# Altium PCB HK0J2071758B03.PcbDoc (part 1 of 5) (continued)
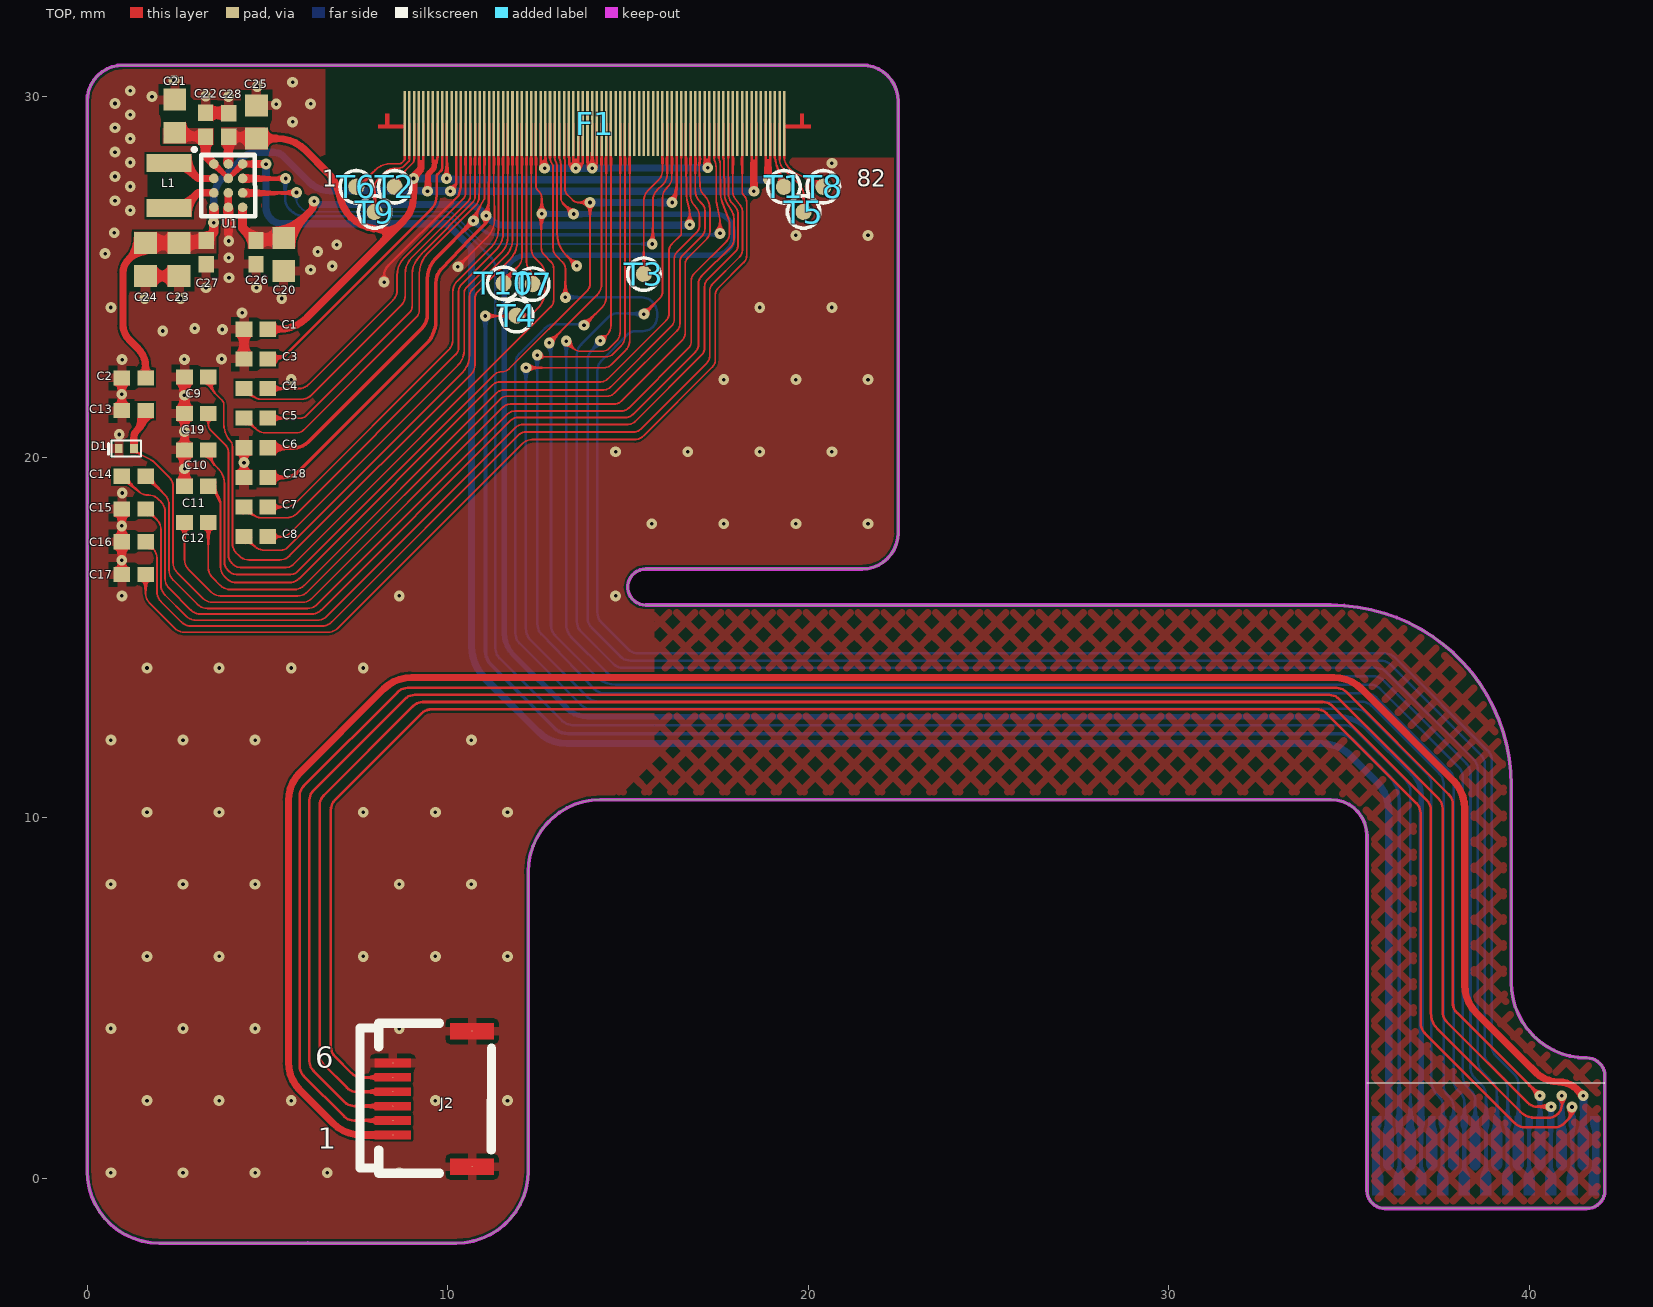
[diagram p0: TOP view]
## Footprints (in the part's own frame and the unit in brackets; to place one, negate y for a bottom-side part, rotate by r counter-clockwise, add the part's x,y. Pads: shape width x height; smd on the part's side, far side on the other; paste and mask are expansions set on the pad) (continued)
  TOP region: 2.821,-1.329 2.828,-1.322 2.839,-1.306 2.846,-1.288 2.85,-1.268 2.85,-1.259 2.85,-1.259 2.85,-0.349 2.85,-0.337 2.848,-0.313 2.844,-0.289 2.838,-0.265 2.835,-0.254 2.835,-0.254 2.815,-0.196 2.812,-0.185 2.806,-0.161 2.802,-0.137 2.8,-0.113 2.8,-0.101 2.8,-0.101 2.8,0.1 2.6,0.1 2.6,-0.101 2.6,-0.113 2.598,-0.137 2.594,-0.161 2.588,-0.185 2.585,-0.196 2.585,-0.196 2.565,-0.254 2.562,-0.265 2.556,-0.289 2.552,-0.313 2.55,-0.337 2.55,-0.349 2.55,-0.349 2.55,-1.259 2.55,-1.268 2.554,-1.288 2.561,-1.306 2.572,-1.322 2.579,-1.329 2.579,-1.329 2.65,-1.4 2.75,-1.4
  TOP region: 2.55,-2.1 2.55,-1.601 2.55,-1.586 2.547,-1.557 2.541,-1.528 2.533,-1.5 2.527,-1.486 2.527,-1.486 2.473,-1.355 2.468,-1.341 2.459,-1.313 2.453,-1.284 2.45,-1.255 2.45,-1.24 2.45,-1.24 2.45,-0.332 2.45,-0.324 2.451,-0.308 2.454,-0.293 2.458,-0.277 2.46,-0.269 2.46,-0.269 2.495,-0.165 2.496,-0.162 2.498,-0.154 2.499,-0.146 2.5,-0.138 2.5,-0.134 2.5,-0.134 2.5,0.1 2.3,0.1 2.3,-0.134 2.3,-0.138 2.301,-0.146 2.302,-0.154 2.304,-0.162 2.305,-0.165 2.305,-0.165 2.34,-0.269 2.342,-0.277 2.346,-0.293 2.349,-0.308 2.35,-0.324 2.35,-0.332 2.35,-0.332 2.35,-1.24 2.35,-1.255 2.347,-1.284 2.341,-1.313 2.332,-1.341 2.327,-1.355 2.327,-1.355 2.273,-1.486 2.267,-1.5 2.259,-1.528 2.253,-1.557 2.25,-1.586 2.25,-1.601 2.25,-1.601 2.25,-2.1
  TOP region: 3.15,-2.1 3.15,0.1 2.9,0.1 2.9,-0.118 2.9,-0.126 2.901,-0.142 2.904,-0.158 2.908,-0.173 2.91,-0.181 2.91,-0.181 2.94,-0.269 2.942,-0.277 2.946,-0.293 2.949,-0.308 2.95,-0.324 2.95,-0.332 2.95,-0.332 2.95,-1.24 2.95,-1.255 2.947,-1.284 2.941,-1.313 2.932,-1.341 2.927,-1.355 2.927,-1.355 2.873,-1.486 2.867,-1.5 2.859,-1.528 2.853,-1.557 2.85,-1.586 2.85,-1.601 2.85,-1.601 2.85,-2.1
  TOP region: -0.45,-2.1 -0.45,-1.601 -0.45,-1.586 -0.453,-1.557 -0.459,-1.528 -0.467,-1.5 -0.473,-1.486 -0.473,-1.486 -0.527,-1.355 -0.532,-1.341 -0.541,-1.313 -0.547,-1.284 -0.55,-1.255 -0.55,-1.24 -0.55,-1.24 -0.55,-0.332 -0.55,-0.324 -0.549,-0.308 -0.546,-0.293 -0.542,-0.277 -0.54,-0.269 -0.54,-0.269 -0.505,-0.165 -0.504,-0.162 -0.502,-0.154 -0.501,-0.146 -0.5,-0.138 -0.5,-0.134 -0.5,-0.134 -0.5,0.1 -0.7,0.1 -0.7,-0.134 -0.7,-0.138 -0.699,-0.146 -0.698,-0.154 -0.696,-0.162 -0.695,-0.165 -0.695,-0.165 -0.66,-0.269 -0.658,-0.277 -0.654,-0.293 -0.651,-0.308 -0.65,-0.324 -0.65,-0.332 -0.65,-0.332 -0.65,-1.24 -0.65,-1.255 -0.653,-1.284 -0.659,-1.313 -0.668,-1.341 -0.673,-1.355 -0.673,-1.355 -0.727,-1.486 -0.733,-1.5 -0.741,-1.528 -0.747,-1.557 -0.75,-1.586 -0.75,-1.601 -0.75,-1.601 -0.75,-2.1
  TOP region: 0.15,-2.1 0.15,-1.601 0.15,-1.586 0.147,-1.557 0.141,-1.528 0.133,-1.5 0.127,-1.486 0.127,-1.486 0.073,-1.355 0.068,-1.341 0.059,-1.313 0.053,-1.284 0.05,-1.255 0.05,-1.24 0.05,-1.24 0.05,-0.332 0.05,-0.324 0.051,-0.308 0.054,-0.293 0.058,-0.277 0.06,-0.269 0.06,-0.269 0.095,-0.165 0.096,-0.162 0.098,-0.154 0.099,-0.146 0.1,-0.138 0.1,-0.134 0.1,-0.134 0.1,0.1 -0.1,0.1 -0.1,-0.134 -0.1,-0.138 -0.099,-0.146 -0.098,-0.154 -0.096,-0.162 -0.095,-0.165 -0.095,-0.165 -0.06,-0.269 -0.058,-0.277 -0.054,-0.293 -0.051,-0.308 -0.05,-0.324 -0.05,-0.332 -0.05,-0.332 -0.05,-1.24 -0.05,-1.255 -0.053,-1.284 -0.059,-1.313 -0.068,-1.341 -0.073,-1.355 -0.073,-1.355 -0.127,-1.486 -0.133,-1.5 -0.141,-1.528 -0.147,-1.557 -0.15,-1.586 -0.15,-1.601 -0.15,-1.601 -0.15,-2.1
  TOP region: 0.421,-1.329 0.428,-1.322 0.439,-1.306 0.446,-1.288 0.45,-1.268 0.45,-1.259 0.45,-1.259 0.45,-0.349 0.45,-0.337 0.448,-0.313 0.444,-0.289 0.438,-0.265 0.435,-0.254 0.435,-0.254 0.415,-0.196 0.412,-0.185 0.406,-0.161 0.402,-0.137 0.4,-0.113 0.4,-0.101 0.4,-0.101 0.4,0.1 0.2,0.1 0.2,-0.101 0.2,-0.113 0.198,-0.137 0.194,-0.161 0.188,-0.185 0.185,-0.196 0.185,-0.196 0.165,-0.254 0.162,-0.265 0.156,-0.289 0.152,-0.313 0.15,-0.337 0.15,-0.349 0.15,-0.349 0.15,-1.259 0.15,-1.268 0.154,-1.288 0.161,-1.306 0.172,-1.322 0.179,-1.329 0.179,-1.329 0.25,-1.4 0.35,-1.4
  TOP region: 0.75,-2.1 0.75,-1.601 0.75,-1.586 0.747,-1.557 0.741,-1.528 0.733,-1.5 0.727,-1.486 0.727,-1.486 0.673,-1.355 0.668,-1.341 0.659,-1.313 0.653,-1.284 0.65,-1.255 0.65,-1.24 0.65,-1.24 0.65,-0.332 0.65,-0.324 0.651,-0.308 0.654,-0.293 0.658,-0.277 0.66,-0.269 0.66,-0.269 0.695,-0.165 0.696,-0.162 0.698,-0.154 0.699,-0.146 0.7,-0.138 0.7,-0.134 0.7,-0.134 0.7,0.1 0.5,0.1 0.5,-0.134 0.5,-0.138 0.501,-0.146 0.502,-0.154 0.504,-0.162 0.505,-0.165 0.505,-0.165 0.54,-0.269 0.542,-0.277 0.546,-0.293 0.549,-0.308 0.55,-0.324 0.55,-0.332 0.55,-0.332 0.55,-1.24 0.55,-1.255 0.547,-1.284 0.541,-1.313 0.532,-1.341 0.527,-1.355 0.527,-1.355 0.473,-1.486 0.467,-1.5 0.459,-1.528 0.453,-1.557 0.45,-1.586 0.45,-1.601 0.45,-1.601 0.45,-2.1
  TOP region: 1.021,-1.329 1.028,-1.322 1.039,-1.306 1.046,-1.288 1.05,-1.268 1.05,-1.259 1.05,-1.259 1.05,-0.349 1.05,-0.337 1.048,-0.313 1.044,-0.289 1.038,-0.265 1.035,-0.254 1.035,-0.254 1.015,-0.196 1.012,-0.185 1.006,-0.161 1.002,-0.137 1,-0.113 1,-0.101 1,-0.101 1,0.1 0.8,0.1 0.8,-0.101 0.8,-0.113 0.798,-0.137 0.794,-0.161 0.788,-0.185 0.785,-0.196 0.785,-0.196 0.765,-0.254 0.762,-0.265 0.756,-0.289 0.752,-0.313 0.75,-0.337 0.75,-0.349 0.75,-0.349 0.75,-1.259 0.75,-1.268 0.754,-1.288 0.761,-1.306 0.772,-1.322 0.779,-1.329 0.779,-1.329 0.85,-1.4 0.95,-1.4
  TOP region: 1.35,-2.1 1.35,-1.601 1.35,-1.586 1.347,-1.557 1.341,-1.528 1.333,-1.5 1.327,-1.486 1.327,-1.486 1.273,-1.355 1.268,-1.341 1.259,-1.313 1.253,-1.284 1.25,-1.255 1.25,-1.24 1.25,-1.24 1.25,-0.332 1.25,-0.324 1.251,-0.308 1.254,-0.293 1.258,-0.277 1.26,-0.269 1.26,-0.269 1.295,-0.165 1.296,-0.162 1.298,-0.154 1.299,-0.146 1.3,-0.138 1.3,-0.134 1.3,-0.134 1.3,0.1 1.1,0.1 1.1,-0.134 1.1,-0.138 1.101,-0.146 1.102,-0.154 1.104,-0.162 1.105,-0.165 1.105,-0.165 1.14,-0.269 1.142,-0.277 1.146,-0.293 1.149,-0.308 1.15,-0.324 1.15,-0.332 1.15,-0.332 1.15,-1.24 1.15,-1.255 1.147,-1.284 1.141,-1.313 1.132,-1.341 1.127,-1.355 1.127,-1.355 1.073,-1.486 1.067,-1.5 1.059,-1.528 1.053,-1.557 1.05,-1.586 1.05,-1.601 1.05,-1.601 1.05,-2.1
  TOP region: -0.179,-1.329 -0.172,-1.322 -0.161,-1.306 -0.154,-1.288 -0.15,-1.268 -0.15,-1.259 -0.15,-1.259 -0.15,-0.349 -0.15,-0.337 -0.152,-0.313 -0.156,-0.289 -0.162,-0.265 -0.165,-0.254 -0.165,-0.254 -0.185,-0.196 -0.188,-0.185 -0.194,-0.161 -0.198,-0.137 -0.2,-0.113 -0.2,-0.101 -0.2,-0.101 -0.2,0.1 -0.4,0.1 -0.4,-0.101 -0.4,-0.113 -0.402,-0.137 -0.406,-0.161 -0.412,-0.185 -0.415,-0.196 -0.415,-0.196 -0.435,-0.254 -0.438,-0.265 -0.444,-0.289 -0.448,-0.313 -0.45,-0.337 -0.45,-0.349 -0.45,-0.349 -0.45,-1.259 -0.45,-1.268 -0.446,-1.288 -0.439,-1.306 -0.428,-1.322 -0.421,-1.329 -0.421,-1.329 -0.35,-1.4 -0.25,-1.4
  TOP region: -2.25,-2.1 -2.25,-1.601 -2.25,-1.586 -2.253,-1.557 -2.259,-1.528 -2.267,-1.5 -2.273,-1.486 -2.273,-1.486 -2.327,-1.355 -2.332,-1.341 -2.341,-1.313 -2.347,-1.284 -2.35,-1.255 -2.35,-1.24 -2.35,-1.24 -2.35,-0.332 -2.35,-0.324 -2.349,-0.308 -2.346,-0.293 -2.342,-0.277 -2.34,-0.269 -2.34,-0.269 -2.305,-0.165 -2.304,-0.162 -2.302,-0.154 -2.301,-0.146 -2.3,-0.138 -2.3,-0.134 -2.3,-0.134 -2.3,0.1 -2.5,0.1 -2.5,-0.134 -2.5,-0.138 -2.499,-0.146 -2.498,-0.154 -2.496,-0.162 -2.495,-0.165 -2.495,-0.165 -2.46,-0.269 -2.458,-0.277 -2.454,-0.293 -2.451,-0.308 -2.45,-0.324 -2.45,-0.332 -2.45,-0.332 -2.45,-1.24 -2.45,-1.255 -2.453,-1.284 -2.459,-1.313 -2.468,-1.341 -2.473,-1.355 -2.473,-1.355 -2.527,-1.486 -2.533,-1.5 -2.541,-1.528 -2.547,-1.557 -2.55,-1.586 -2.55,-1.601 -2.55,-1.601 -2.55,-2.1
  TOP region: -1.979,-1.329 -1.972,-1.322 -1.961,-1.306 -1.954,-1.288 -1.95,-1.268 -1.95,-1.259 -1.95,-1.259 -1.95,-0.349 -1.95,-0.337 -1.952,-0.313 -1.956,-0.289 -1.962,-0.265 -1.965,-0.254 -1.965,-0.254 -1.985,-0.196 -1.988,-0.185 -1.994,-0.161 -1.998,-0.137 -2,-0.113 -2,-0.101 -2,-0.101 -2,0.1 -2.2,0.1 -2.2,-0.101 -2.2,-0.113 -2.202,-0.137 -2.206,-0.161 -2.212,-0.185 -2.215,-0.196 -2.215,-0.196 -2.235,-0.254 -2.238,-0.265 -2.244,-0.289 -2.248,-0.313 -2.25,-0.337 -2.25,-0.349 -2.25,-0.349 -2.25,-1.259 -2.25,-1.268 -2.246,-1.288 -2.239,-1.306 -2.228,-1.322 -2.221,-1.329 -2.221,-1.329 -2.15,-1.4 -2.05,-1.4
  TOP region: -1.65,-2.1 -1.65,-1.601 -1.65,-1.586 -1.653,-1.557 -1.659,-1.528 -1.667,-1.5 -1.673,-1.486 -1.673,-1.486 -1.727,-1.355 -1.732,-1.341 -1.741,-1.313 -1.747,-1.284 -1.75,-1.255 -1.75,-1.24 -1.75,-1.24 -1.75,-0.332 -1.75,-0.324 -1.749,-0.308 -1.746,-0.293 -1.742,-0.277 -1.74,-0.269 -1.74,-0.269 -1.705,-0.165 -1.704,-0.162 -1.702,-0.154 -1.701,-0.146 -1.7,-0.138 -1.7,-0.134 -1.7,-0.134 -1.7,0.1 -1.9,0.1 -1.9,-0.134 -1.9,-0.138 -1.899,-0.146 -1.898,-0.154 -1.896,-0.162 -1.895,-0.165 -1.895,-0.165 -1.86,-0.269 -1.858,-0.277 -1.854,-0.293 -1.851,-0.308 -1.85,-0.324 -1.85,-0.332 -1.85,-0.332 -1.85,-1.24 -1.85,-1.255 -1.853,-1.284 -1.859,-1.313 -1.868,-1.341 -1.873,-1.355 -1.873,-1.355 -1.927,-1.486 -1.933,-1.5 -1.941,-1.528 -1.947,-1.557 -1.95,-1.586 -1.95,-1.601 -1.95,-1.601 -1.95,-2.1
  TOP region: -1.379,-1.329 -1.372,-1.322 -1.361,-1.306 -1.354,-1.288 -1.35,-1.268 -1.35,-1.259 -1.35,-1.259 -1.35,-0.349 -1.35,-0.337 -1.352,-0.313 -1.356,-0.289 -1.362,-0.265 -1.365,-0.254 -1.365,-0.254 -1.385,-0.196 -1.388,-0.185 -1.394,-0.161 -1.398,-0.137 -1.4,-0.113 -1.4,-0.101 -1.4,-0.101 -1.4,0.1 -1.6,0.1 -1.6,-0.101 -1.6,-0.113 -1.602,-0.137 -1.606,-0.161 -1.612,-0.185 -1.615,-0.196 -1.615,-0.196 -1.635,-0.254 -1.638,-0.265 -1.644,-0.289 -1.648,-0.313 -1.65,-0.337 -1.65,-0.349 -1.65,-0.349 -1.65,-1.259 -1.65,-1.268 -1.646,-1.288 -1.639,-1.306 -1.628,-1.322 -1.621,-1.329 -1.621,-1.329 -1.55,-1.4 -1.45,-1.4
  TOP region: -1.05,-2.1 -1.05,-1.601 -1.05,-1.586 -1.053,-1.557 -1.059,-1.528 -1.067,-1.5 -1.073,-1.486 -1.073,-1.486 -1.127,-1.355 -1.132,-1.341 -1.141,-1.313 -1.147,-1.284 -1.15,-1.255 -1.15,-1.24 -1.15,-1.24 -1.15,-0.332 -1.15,-0.324 -1.149,-0.308 -1.146,-0.293 -1.142,-0.277 -1.14,-0.269 -1.14,-0.269 -1.105,-0.165 -1.104,-0.162 -1.102,-0.154 -1.101,-0.146 -1.1,-0.138 -1.1,-0.134 -1.1,-0.134 -1.1,0.1 -1.3,0.1 -1.3,-0.134 -1.3,-0.138 -1.299,-0.146 -1.298,-0.154 -1.296,-0.162 -1.295,-0.165 -1.295,-0.165 -1.26,-0.269 -1.258,-0.277 -1.254,-0.293 -1.251,-0.308 -1.25,-0.324 -1.25,-0.332 -1.25,-0.332 -1.25,-1.24 -1.25,-1.255 -1.253,-1.284 -1.259,-1.313 -1.268,-1.341 -1.273,-1.355 -1.273,-1.355 -1.327,-1.486 -1.333,-1.5 -1.341,-1.528 -1.347,-1.557 -1.35,-1.586 -1.35,-1.601 -1.35,-1.601 -1.35,-2.1
  TOP region: -0.779,-1.329 -0.772,-1.322 -0.761,-1.306 -0.754,-1.288 -0.75,-1.268 -0.75,-1.259 -0.75,-1.259 -0.75,-0.349 -0.75,-0.337 -0.752,-0.313 -0.756,-0.289 -0.762,-0.265 -0.765,-0.254 -0.765,-0.254 -0.785,-0.196 -0.788,-0.185 -0.794,-0.161 -0.798,-0.137 -0.8,-0.113 -0.8,-0.101 -0.8,-0.101 -0.8,0.1 -1,0.1 -1,-0.101 -1,-0.113 -1.002,-0.137 -1.006,-0.161 -1.012,-0.185 -1.015,-0.196 -1.015,-0.196 -1.035,-0.254 -1.038,-0.265 -1.044,-0.289 -1.048,-0.313 -1.05,-0.337 -1.05,-0.349 -1.05,-0.349 -1.05,-1.259 -1.05,-1.268 -1.046,-1.288 -1.039,-1.306 -1.028,-1.322 -1.021,-1.329 -1.021,-1.329 -0.95,-1.4 -0.85,-1.4
  TOP region: -2.85,-2.1 -2.85,-1.601 -2.85,-1.586 -2.853,-1.557 -2.859,-1.528 -2.867,-1.5 -2.873,-1.486 -2.873,-1.486 -2.927,-1.355 -2.932,-1.341 -2.941,-1.313 -2.947,-1.284 -2.95,-1.255 -2.95,-1.24 -2.95,-1.24 -2.95,-0.332 -2.95,-0.324 -2.949,-0.308 -2.946,-0.293 -2.942,-0.277 -2.94,-0.269 -2.94,-0.269 -2.91,-0.181 -2.908,-0.173 -2.904,-0.158 -2.901,-0.142 -2.9,-0.126 -2.9,-0.118 -2.9,-0.118 -2.9,0.1 -3.15,0.1 -3.15,-2.1
  TOP region: -2.579,-1.329 -2.572,-1.322 -2.561,-1.306 -2.554,-1.288 -2.55,-1.268 -2.55,-1.259 -2.55,-1.259 -2.55,-0.349 -2.55,-0.337 -2.552,-0.313 -2.556,-0.289 -2.562,-0.265 -2.565,-0.254 -2.565,-0.254 -2.585,-0.196 -2.588,-0.185 -2.594,-0.161 -2.598,-0.137 -2.6,-0.113 -2.6,-0.101 -2.6,-0.101 -2.6,0.1 -2.8,0.1 -2.8,-0.101 -2.8,-0.113 -2.802,-0.137 -2.806,-0.161 -2.812,-0.185 -2.815,-0.196 -2.815,-0.196 -2.835,-0.254 -2.838,-0.265 -2.844,-0.289 -2.848,-0.313 -2.85,-0.337 -2.85,-0.349 -2.85,-0.349 -2.85,-1.259 -2.85,-1.268 -2.846,-1.288 -2.839,-1.306 -2.828,-1.322 -2.821,-1.329 -2.821,-1.329 -2.75,-1.4 -2.65,-1.4
MPL2012S2R2MDT [mm]
  rect 0.5x1.25 smd: 1(-0.625,0) 2(0.625,0)
TP-C045-PI [mm] "TP-C045-PI"
  round 0.45 smd: 1(0,0)
  silkscreen extent -0.45,-0.45 0.45,0.45
WLCSP-12_L1.7-W1.5-R4-C3-P0.40-TL-1 [mm]
  round 0.268 smd paste+0 mask+0.051: A1(-0.4,0.6) A2(0,0.6) A3(0.4,0.6) B1(-0.4,0.2) B2(0,0.2) B3(0.4,0.2) C1(-0.4,-0.2) C2(0,-0.2) C3(0.4,-0.2) D1(-0.4,-0.6) D2(0,-0.6) D3(0.4,-0.6)
  silkscreen extent -0.99,-0.85 0.75,1.05, body extent -0.67,-0.81 0.67,0.81, height 0.25

## Part data
C1 C2 C3 C4 C5 C6 C7 C8 C9 C10 C11 C12 C13 C14 C15 C16 C17 C18 C19 C20 C21 C22 C23 C24 C25 C26 C27 C28: library part Capacitor, "NONE", Capacitance=1uF, Case Code (Imperial)=0201, Case Code (Metric)=0603, Dielectric=X5R, Manufacturer=Murata, Manufacturer Part Number=GRM033R61A105ME15D, Max Operating Temperature=85°C, Min Operating Temperature=-55°C, Tolerance=20%, Voltage Rating=10V, AMBIQ PN=GRM033R61A105ME15D, Case/Package=0201, Category="Ceramic Capacitors", ComponentLink1Description=http://search.murata.co.jp/Ceramy/image/img/A01X/G101/ENG/GRM033R61A105ME15-01.pdf?src-supplier=Digi-Key, ComponentLink1URL=http://search.murata.co.jp/Ceramy/image/img/A01X/G101/ENG/GRM033R61A105ME15-01.pdf?src-supplier=Digi-Key, Length=0.024inch, Mount="Surface Mount", Packaging="Tape and Reel", Pricing 1="1=0.35440, 10=0.26860, 25=0.26600, 50=0.24050, 100=0.18220, 250=0.18020, 500=0.17800, 1000=0.12040, 3000=0.11920, 6000=0.08160,", RoHS=Yes, RoHS Compliant=Yes, Stock 1=387591, Supplier 1="Arrow Electronics", Supplier Part Number 1=GRM033R61A105ME15D, Thickness=0.015inch, Voltage Rating (DC)=10V, Width=0.012inch
D1: Average Rectified Current (Io)=0.1A, Forward Voltage (Vf@If)=0.62V, JLCPCB Part Class="Extended Part", LCSC Part Name="电压:30V 电流:100mA", Manufacturer=LRC(乐山无线电), Reverse Leakage Current (Ir)=0.35uA, Reverse Voltage (Vr)=30V, Add into BOM=yes, Convert to PCB=yes, Datasheet=https://atta.szlcsc.com/upload/public/pdf/source/20190402/C383209_E6CC6AB1DDDAFF419D608D9457880F70.pdf, Device=LDSR01S30ST5G, Manufacturer Part=LDSR01S30ST5G, Supplier=LCSC, Supplier Footprint=DFN0603, Supplier Part=C383209, Symbol=LDSR01S30ST5G
J1: library part 21Pin_Connector
L1: "Inductor", Arrow Part Number=LQM2MPN2R2NG0L, Manufacturer_Name="Murata Electronics", Mouser Part Number=81-LQM2MPN2R2NG0L, Arrow Price/Stock=https://www.arrow.com/en/products/lqm2mpn2r2ng0l/murata-manufacturing?region=nac, Datasheet Link=https://psearch.en.murata.com/inductor/product/LQM2MPN2R2NG0%23.html, Height=1mm, Manufacturer_Part_Number=LQM2MPN2R2NG0L, Mouser Price/Stock=https://www.mouser.co.uk/ProductDetail/Murata-Electronics/LQM2MPN2R2NG0L?qs=%2F%252BYoplLUB5hok3HfggX2sA%3D%3D

## Via types
v1: diameter 0.3, hole 0.1, TOP to BOTTOM, tented both sides, 149 vias

## Nets (pads, with @x,y where several pads share a name; then routed paths per layer and width w, separated by ;. In a path a pad name is that pad's centre, name@x,y a point inside that pad or via, vN(x,y) a via of type N, cw(c..) or ccw(c..) an arc to the next point about the centre after c; other vN are vias at no path point)
AVDD: C6.1 F1.18 F1.67 | length 22
  TOP w0.05: v1(10.716,26.556) 10.716,26.624 11.021,27.164 11.021,27.177 11.021,28.301 ; 17.391,28.301 ccw(c17.451,28.301) 17.392,28.29 17.403,28.237 ccw(c17.471,28.25) 17.406,28.224 17.436,28.15 cw(c17.372,28.124) 17.441,28.131 17.45,28.054 cw(c17.216,28.027) 17.451,28.027 17.452,27.125 ccw(c17.727,27.125) 17.457,27.07 17.55,26.612 cw(c17.281,26.557) 17.556,26.557 v1(17.556,26.206)
  TOP w0.07: 11.021,28.301 F1.18@11.021,29.251 ; 17.391,28.301 17.391,28.312 17.391,28.351 F1.67@17.391,29.251
  TOP w0.1: C6.1@5.012,20.259 5.745,20.259 ccw(c5.745,20.809) 6.133,20.42 9.28,23.567 ccw(c8.89,23.955) 9.44,23.955 9.44,24.94 cw(c10.256,24.943) 9.671,25.511 v1(10.716,26.556)
  BOTTOM w0.1: v1(10.716,26.556) 10.941,26.332 ccw(c11.329,26.722) 11.329,26.172 17.365,26.172 ccw(c17.364,26.722) v1(17.556,26.206)
C11N: C4.2 F1.15 | length 11.3
  TOP w0.05: C4.2@4.352,21.903 4.557,21.718 4.56,21.716 ccw(c4.827,21.993) 4.715,21.625 4.758,21.612 ccw(c4.782,21.693) 4.782,21.608 5.949,21.608 ccw(c5.949,21.993) 6.22,21.72 8.712,24.212 ccw(c8.44,24.484) 8.825,24.484 8.825,25.093 cw(c9.453,25.093) 9.008,25.537 10.568,27.098 ccw(c10.416,27.25) 10.631,27.25 10.631,28.301
  TOP w0.07: 10.631,28.301 F1.15@10.631,29.251
C11P: C4.1 F1.14 | length 10.1
  TOP w0.05: C4.1@5.012,21.903 5.873,21.903 ccw(c5.873,22.288) 6.144,22.015 8.489,24.36 ccw(c8.216,24.631) 8.601,24.631 8.601,25.041 cw(c9.29,25.042) 8.802,25.528 10.422,27.148 ccw(c10.229,27.34) 10.501,27.34 10.501,28.301
  TOP w0.07: 10.501,28.301 F1.14@10.501,29.251
C12N: C5.2 F1.17 | length 12.3
  TOP w0.05: C5.2@4.352,21.081 4.557,20.896 4.694,20.773 ccw(c4.952,21.059) 4.952,20.674 5.815,20.674 ccw(c5.815,20.949) 6.009,20.754 9.136,23.881 ccw(c8.941,24.075) 9.216,24.074 9.216,25.085 cw(c10.026,25.085) 9.452,25.656 10.812,27.017 10.821,27.032 10.847,27.091 ccw(c10.58,27.209) 10.857,27.12 10.871,27.163 10.891,27.752 10.891,28.301
  TOP w0.07: 10.891,28.301 10.891,28.386 F1.17@10.891,29.251
C12P: C5.1 F1.16 | length 11.1
  TOP w0.05: C5.1@5.012,21.081 5.922,21.081 ccw(c5.922,21.312) 6.085,21.149 8.939,24.003 ccw(c8.744,24.197) 9.019,24.197 9.019,25.083 cw(c9.676,25.084) 9.206,25.542 9.342,25.702 10.711,27.083 ccw(c10.58,27.209) 10.761,27.209 10.761,28.301
  TOP w0.07: 10.761,28.301 F1.16@10.761,29.251
C31N: C7.2 F1.22 | length 14.7
  TOP w0.05: C7.2@4.352,18.616 4.557,18.431 4.569,18.42 ccw(c4.827,18.706) 4.715,18.337 4.758,18.324 ccw(c4.782,18.406) 4.782,18.321 5.543,18.321 ccw(c5.543,18.706) 5.815,18.433 10.232,22.851 ccw(c10.055,23.029) 10.306,23.029 10.306,24.598 cw(c10.585,24.598) 10.388,24.796 11.359,25.766 ccw(c10.917,26.207) 11.541,26.207 11.541,28.301
  TOP w0.07: 11.541,28.301 11.541,28.963 F1.22@11.541,29.251
C31P: C7.1 F1.21 | length 13.6
  TOP w0.05: C7.1@5.012,18.616 5.512,18.616 ccw(c5.512,19.001) 5.784,18.728 10.029,22.974 ccw(c9.757,23.246) 10.142,23.246 10.142,24.578 cw(c10.575,24.578) 10.269,24.885 11.206,25.822 ccw(c10.71,26.317) 11.411,26.317 11.413,26.697 ccw(c11.068,26.698) 11.413,26.699 11.411,27.752 11.411,28.301
  TOP w0.07: 11.411,28.301 11.411,28.386 F1.21@11.411,29.251
C32N: C8.2 F1.24 | length 15.6
  TOP w0.05: C8.2@4.352,17.794 4.557,17.609 4.658,17.518 ccw(c4.916,17.804) 4.916,17.419 5.389,17.419 ccw(c5.389,17.644) 5.548,17.484 10.409,22.345 ccw(c9.917,22.836) 10.612,22.836 10.612,24.468 cw(c10.887,24.467) 10.692,24.661 11.616,25.585 ccw(c11.167,26.032) 11.801,26.032 11.801,28.301
  TOP w0.07: 11.801,28.301 11.801,28.386 F1.24@11.801,29.251
C32P: C8.1 F1.23 | length 14.4
  TOP w0.05: C8.1@5.012,17.794 5.372,17.794 ccw(c5.372,18.179) 5.643,17.905 10.289,22.551 ccw(c9.876,22.964) 10.46,22.964 10.46,24.539 cw(c10.712,24.539) 10.534,24.718 11.5,25.683 ccw(c11.082,26.099) 11.671,26.099 11.671,28.301
  TOP w0.07: 11.671,28.301 11.671,28.386 F1.23@11.671,29.251
C41N: C14.2 F1.69 | length 28.4
  TOP w0.05: C14.2@0.963,19.47 1.168,19.285 1.431,19.048 ccw(c1.689,19.333) 1.689,18.949 1.703,18.949 cw(c1.703,18.564) 1.975,18.837 2.052,18.76 cw(c1.778,18.489) 2.163,18.489 2.163,16.633 ccw(c2.548,16.633) 2.275,16.362 2.88,15.757 ccw(c3.151,16.03) 3.151,15.646 6.22,15.646 ccw(c6.22,16.03) 6.491,15.757 11.753,21.019 cw(c11.947,20.824) 11.947,21.099 14.937,21.099 ccw(c14.937,21.374) 15.131,21.179 16.881,22.929 ccw(c16.686,23.123) 16.961,23.123 16.961,24.821 cw(c17.236,24.821) 17.041,25.014 17.864,25.838 ccw(c17.669,26.032) 17.944,26.032 17.944,26.613 ccw(c17.559,26.613) 17.893,26.806 17.748,27.056 cw(c18.176,27.304) 17.682,27.299 17.672,28.173 ccw(c17.287,28.169) 17.662,28.257 17.651,28.301
  TOP w0.07: 17.651,28.301 F1.69@17.651,29.251
C41P: C14.1 F1.68 | length 27.4
  TOP w0.05: C14.1@1.623,19.47 1.828,19.285 2.16,18.953 cw(c1.888,18.681) 2.273,18.681 2.273,16.864 ccw(c2.658,16.864) 2.385,16.593 3.063,15.915 ccw(c3.335,16.188) 3.335,15.803 6.115,15.803 ccw(c6.115,16.188) 6.387,15.915 ; 6.387,15.915 11.67,21.199 cw(c11.864,21.003) 11.864,21.278 14.781,21.278 14.825,21.278 ccw(c14.826,21.553) 15.022,21.36 cw(c15.217,21.166) 15.023,21.361 16.682,23.02 ccw(c16.487,23.214) 16.762,23.214 16.762,24.9 cw(c17.037,24.9) 16.841,25.094 17.739,25.992 ccw(c17.544,26.186) 17.819,26.186 17.819,26.493 ccw(c17.544,26.493) 17.801,26.59 17.794,26.609 17.611,27.089 cw(c18.176,27.304) 17.572,27.297 17.562,28.158 ccw(c17.452,28.157) 17.556,28.19 17.521,28.301
  TOP w0.07: 17.521,28.301 17.521,28.351 F1.68@17.521,29.251
C51N: C12.2 F1.63 | length 24.3
  TOP w0.05: C12.2@2.703,18.182 2.703,17.153 ccw(c3.088,17.153) 2.815,16.881 3.433,16.264 ccw(c3.704,16.537) 3.704,16.152 5.843,16.152 ccw(c5.843,16.537) 6.114,16.264 11.461,21.61 cw(c11.655,21.415) 11.655,21.69 14.385,21.69 14.429,21.69 ccw(c14.43,21.965) 14.624,21.77 16.363,23.502 ccw(c16.169,23.697) 16.444,23.697 16.444,25.411 cw(c16.719,25.411) 16.524,25.605 17.059,26.14 ccw(c16.864,26.334) 17.139,26.334 17.139,26.835 ccw(c16.864,26.835) 17.056,27.032 17.026,27.062 17.01,27.078 16.998,27.09 cw(c17.311,27.398) 16.871,27.398 16.871,28.301
  TOP w0.07: 16.871,28.301 F1.63@16.871,29.251
C51P: C12.1 F1.62 | length 23.4
  TOP w0.05: C12.1@3.363,18.182 3.363,16.935 ccw(c3.748,16.935) 3.475,16.663 3.699,16.44 ccw(c3.97,16.713) 3.97,16.328 5.749,16.328 ccw(c5.749,16.713) 6.02,16.44 11.366,21.786 cw(c11.56,21.591) 11.56,21.866 13.709,21.866 14.283,21.866 14.327,21.866 ccw(c14.328,22.141) 14.522,21.946 16.209,23.632 ccw(c16.014,23.826) 16.289,23.826 16.289,25.502 cw(c16.564,25.502) 16.369,25.696 16.91,26.237 ccw(c16.715,26.431) 16.99,26.431 16.99,26.657 ccw(c16.552,26.657) 16.853,26.975 cw(c17.126,27.246) 16.741,27.246 16.741,28.301
  TOP w0.07: 16.741,28.301 F1.62@16.741,29.251
ELVDD: C2.1 C23.2 C24.2 C27.1 F1.7 F1.8 F1.12 F1.75 F1.76 U1.D1 | length 31.5
  TOP w0.07: F1.7@9.591,29.251 9.591,28.183 9.639,28.183 9.686,28.183 9.696,28.172 9.719,28.301 9.72,28.307 ccw(c9.651,28.319) 9.721,28.319 F1.8@9.721,29.251 ; v1(10.077,27.374) 10.077,27.416 10.241,27.58 10.241,28.301 10.241,28.386 F1.12@10.241,29.251 ; 18.431,28.159 F1.75@18.431,29.251 ; 18.561,28.159 F1.76@18.561,29.251
  TOP w0.15: v1@9.452,27.4 9.452,27.778 cw(c9.602,27.778) 9.495,27.883 9.588,27.976 ccw(c9.481,28.081) 9.631,28.07 9.639,28.183
  TOP w0.2: 1.408,23.023 1.157,23.273 cw(c1.549,23.665) 0.995,23.665 0.995,25.104 cw(c1.536,25.104) 1.153,25.486 1.61,25.943 C24.2@1.621,25.944 ; 1.408,23.022 cw(c0.888,22.503) 1.623,22.503 C2.1@1.623,22.199 ; 18.495,28.159 18.495,27.964 18.495,27.798 v1@18.498,27.414
  TOP w0.25: C27.1@3.306,26.009 3.306,26.029 3.517,26.24 U1.D1@3.517,26.931
  TOP w0.3: C24.2@1.621,25.944 C27.1@3.22,25.943
  BOTTOM w0.2: v1(3.511,26.507) 3.511,27.146 cw(c4.352,27.146) 3.757,27.741 4.316,28.3 ; 4.316,28.3 cw(c4.7,27.916) 4.7,28.458 5.165,28.458 cw(c5.165,28.058) 5.448,28.341 5.878,27.911 6.156,27.633 ccw(c6.743,28.22) 6.743,27.39 v1@9.442,27.39
  BOTTOM w0.203: v1@9.442,27.39 9.45,27.382 10.069,27.382 v1(10.077,27.374) v1(18.498,27.374)
  other v1: 9.442,27.374
ELVSS: C1.1 C25.2 C28.1 F1.4 F1.5 F1.10 F1.78 F1.79 U1.A2 | length 29.8
  TOP w0.07: F1.4@9.201,29.251 9.201,28.139 9.266,28.139 9.331,28.139 F1.5@9.331,29.251 ; v1(9.973,27.729) 9.981,27.737 F1.10@9.981,29.251 ; F1.78@18.821,29.251 18.821,28.171 18.885,28.171 18.951,28.171 F1.79@18.951,29.251
  TOP w0.2: U1.A2@3.917,28.132 3.924,28.139 3.924,28.876 C28.1@3.931,28.883 4.657,28.883 C25.2@4.7,28.84 5.275,28.84 cw(c5.275,27.74) 6.052,28.519 6.679,27.892 cw(c5.9,27.115) 6.956,27.422 7.044,27.121 ccw(c8.1,27.428) 7.954,26.338 8.493,26.266 ; C1.1@5.012,23.547 5.319,23.547 ccw(c5.319,24.647) 6.097,23.869 8.493,26.266 ; 9.266,28.139 9.266,28.007 9.054,27.794 v1(9.054,27.729) 9.054,27.223 cw(c8.097,27.223) 8.774,26.546 8.493,26.266 ; 18.885,28.059 18.885,28.171 ; 18.886,28.058 18.886,27.721 v1(18.905,27.702)
  BOTTOM w0.2: v1(9.054,27.729) v1(9.973,27.729) 9.992,27.709 10.062,27.709 10.079,27.692 v1@18.896,27.692
ERR_Flag: F1.56 T3.1 | length 4.4
  TOP w0.05: T3.1@15.443,25.077 15.443,27.116 cw(c15.828,27.116) 15.556,27.388 15.849,27.682 ccw(c15.576,27.953) 15.961,27.953 15.961,28.301
  TOP w0.07: 15.961,28.301 F1.56@15.961,29.251
FOF_R: F1.80 T1.1 | length 1.8
  TOP w0.05: 19.081,28.301 19.112,28.156 ccw(c19.596,28.26) 19.128,28.101 T1.1@19.331,27.5
  TOP w0.07: 19.081,28.301 F1.80@19.081,29.251
FOF_R1: F1.82 T8.1 | length 2.4
  TOP w0.05: 19.341,28.301 19.342,28.288 ccw(c19.726,28.314) 19.453,28.043 19.535,27.961 ccw(c19.807,28.234) 19.635,27.889 T8.1@20.423,27.5
  TOP w0.07: 19.341,28.301 F1.82@19.341,29.251
FOF_R2: F1.81 T5.1 | length 2.7
  TOP w0.05: 19.211,28.301 19.211,28.26 ccw(c19.596,28.26) 19.323,27.989 19.762,27.55 cw(c19.489,27.278) 19.874,27.278 T5.1@19.874,26.8
  TOP w0.07: 19.211,28.301 F1.81@19.211,29.251
FOG_L: F1.3 T2.1 | length 2
  TOP w0.05: T2.1@8.532,27.5 cw(c8.912,27.5) 8.609,27.728 cw(c8.912,27.5) 8.643,27.768 9.034,28.159 ccw(c8.944,28.249) 9.071,28.249 9.071,28.301
  TOP w0.07: 9.071,28.301 9.071,28.312 F1.3@9.071,29.251
FOG_L1: F1.1 T6.1 | length 2.6
  TOP w0.05: T6.1@7.466,27.5 7.529,27.5 7.99,27.961 cw(c8.423,27.529) 8.423,28.14 8.676,28.14 ccw(c8.676,28.19) 8.685,28.141 8.694,28.143 ccw(c8.686,28.192) 8.721,28.157 8.811,28.247 8.811,28.301
  TOP w0.07: 8.811,28.301 F1.1@8.811,29.251
FOG_L2: F1.2 T9.1 | length 3
  TOP w0.05: T9.1@7.976,26.8 7.976,27.492 cw(c8.281,27.492) 8.065,27.708 8.243,27.886 cw(c8.553,27.577) 8.553,28.015 8.644,28.015 ccw(c8.644,28.232) 8.798,28.078 8.922,28.202 ccw(c8.876,28.249) 8.941,28.249 8.941,28.301
  TOP w0.07: 8.941,28.301 F1.2@8.941,29.251